# Altium PCB Arduino-DUE-V03.ascii.PcbDoc (part 1 of 3)
Units mil, origin at the board's own origin, x right, y up, seen from the top; angles counter-clockwise.
Board outline 4000 x 2100 mil, 2 copper layers (Top, Bottom), stack 65.748 mil thick; 128 components, 163 nets, 632 pads, 387 vias.
Unrouted connection lines stored in the file: 4.
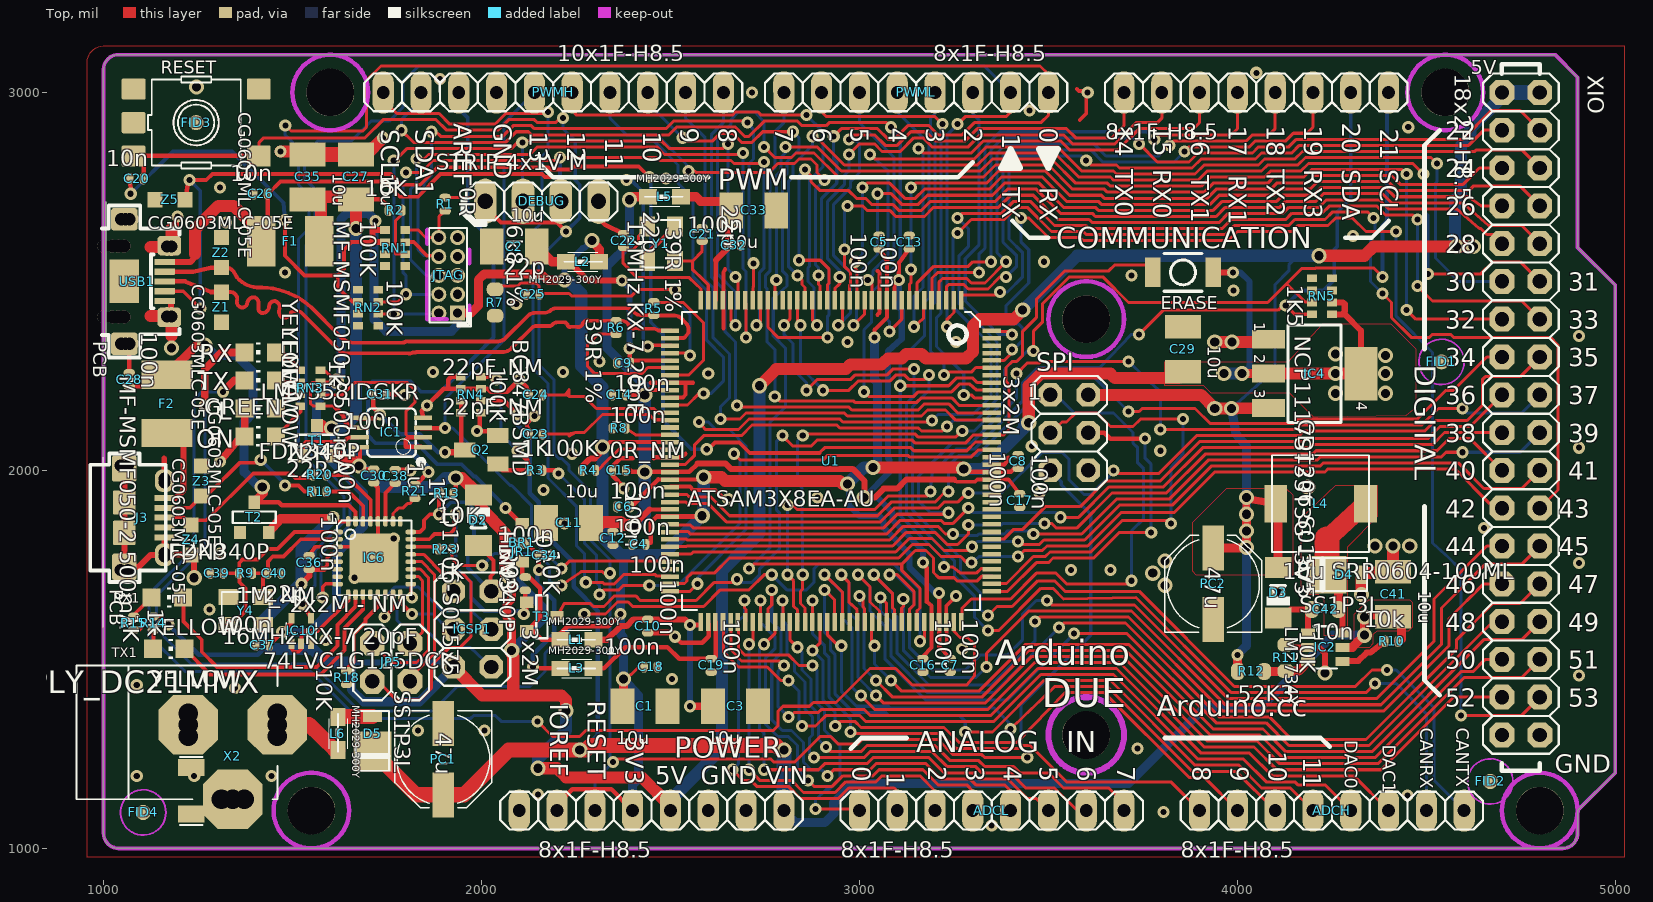
[diagram p0: Top view]
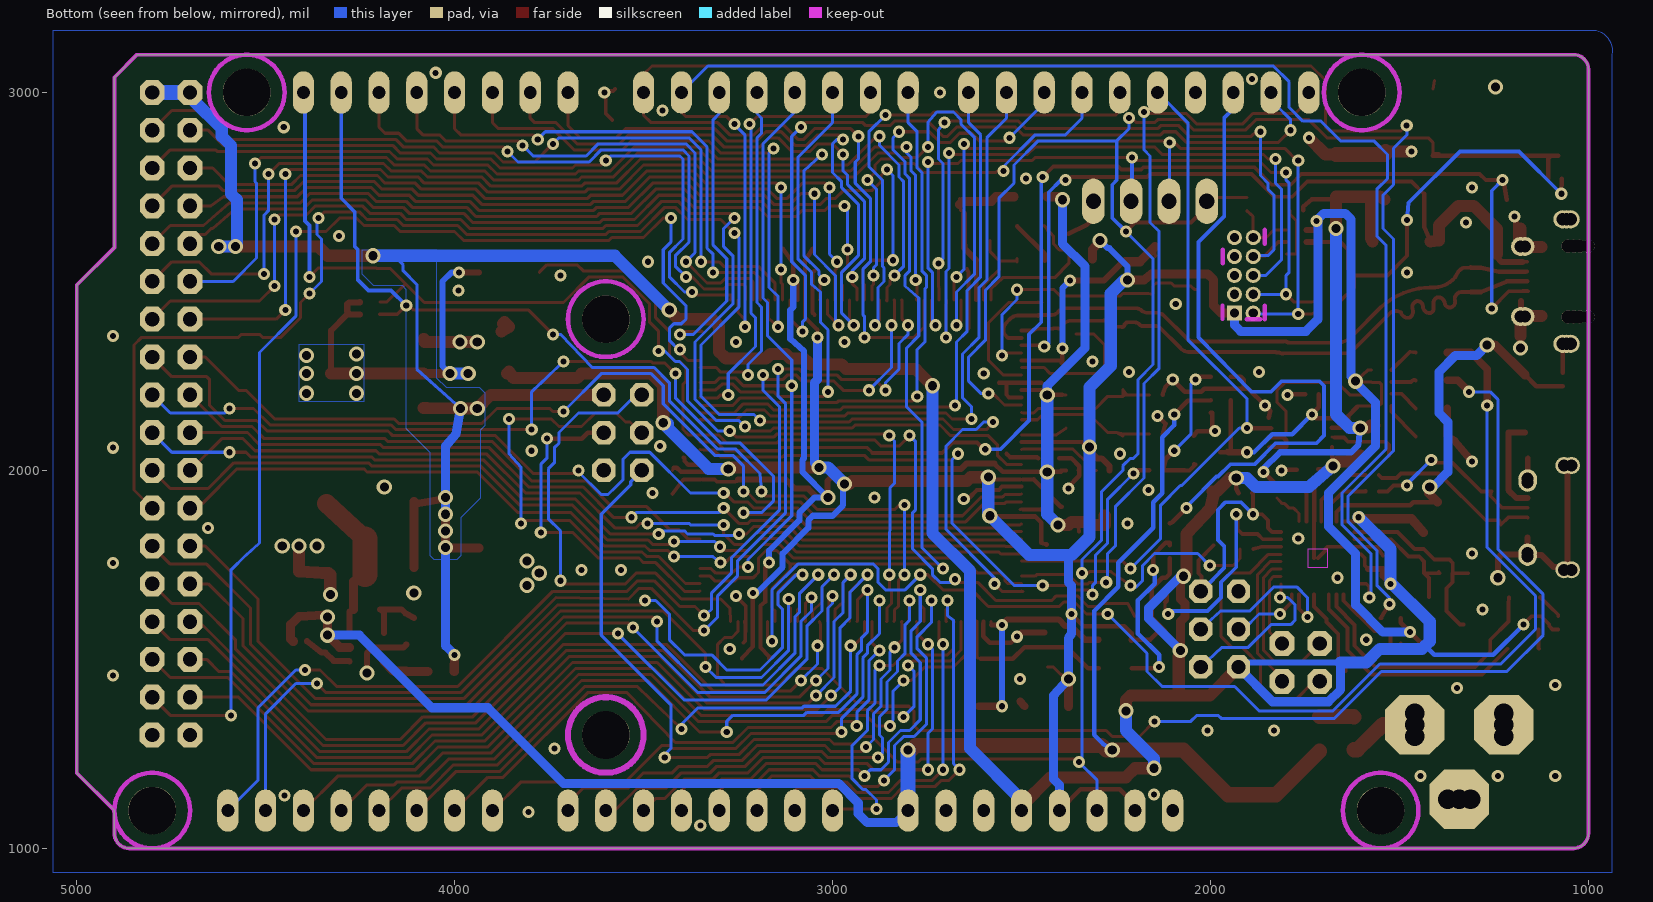
[diagram p1: Bottom view, seen from below]

## Layer stack, top to bottom
Top Solder: solder mask 0.4, Solder Resist, Dk 3.5
Top: signal copper 1.378
Dielectric 1: core 62.9921, FR-4, Dk 4.8
Bottom: signal copper 1.378
Bottom Solder: solder mask 0.4, Solder Resist, Dk 3.5

## Board outline
1040,3100 4840,3100 4900,3040 4900,2590 5000,2490 5000,1200 4900,1100 4900,1040 cw(c4860.5,1039.5) 4861,1000 1040,1000 cw(c1040,1040) 1000,1040 1000,3061 cw(c1039.5,3060.5)

## Design rules (kind name [scope] priority, off if disabled: settings)
AssemblyTestPointUsage [All] p0: scope1count=1 scope1_0_kind=Board scope1_0_value=Board scope2count=1 scope2_0_kind=Board scope2_0_value=Board commentlength=0
AssemblyTestpoint [All] p0: scope1count=1 scope1_0_kind=Board scope1_0_value=Board scope2count=1 scope2_0_kind=Board scope2_0_value=Board commentlength=0
Clearance "Clearance (Same Net)" [All] p0: scope1count=1 scope1_0_kind=Board scope1_0_value=Board scope2count=1 scope2_0_kind=Board scope2_0_value=Board commentlength=0 gap=0
Clearance [All] p0: scope1count=1 scope1_0_kind=Board scope1_0_value=Board scope2count=1 scope2_0_kind=Board scope2_0_value=Board commentlength=0 gap=8
Clearance [All] p1: gap=8 except(0: SMDPad-SMDPad SMDPad-THPad SMDPad-Via)
Clearance "Clearance (Same Net)" [All] p2: gap=0 except(6: SMDPad-SMDPad SMDPad-THPad SMDPad-Via)
ComponentClearance [All] p0: scope1count=1 scope1_0_kind=Board scope1_0_value=Board scope2count=1 scope2_0_kind=Board scope2_0_value=Board commentlength=0 gap=10 collisioncheckmode=3
DiffPairsRouting [All] p0: scope1count=1 scope1_0_kind=Board scope1_0_value=Board scope2count=1 scope2_0_kind=Board scope2_0_value=Board commentlength=0
FabricationTestPointUsage [All] p0: scope1count=1 scope1_0_kind=Board scope1_0_value=Board scope2count=1 scope2_0_kind=Board scope2_0_value=Board commentlength=0 valid=0 allowmultiple=FALSE
FabricationTestpoint [All] p0: scope1count=1 scope1_0_kind=Board scope1_0_value=Board scope2count=1 scope2_0_kind=Board scope2_0_value=Board commentlength=0 side=3 testpointundercomponent=TRUE minsize=40 maxsize=100 preferedsize=60 minholesize=0 maxholesize=40 preferedholesize=32 testpointgrid=1
FanoutControl Fanout_Default [All] p0: scope1count=1 scope1_0_kind=Board scope1_0_value=Board scope2count=1 scope2_0_kind=Board scope2_0_value=Board commentlength=30 // Fanout_Default (Default Rule)
FanoutControl Fanout_Small [All] p0 off: scope1count=1 scope1_0_kind=Board scope1_0_value=Board scope2count=1 scope2_0_kind=Board scope2_0_value=Board commentlength=84 // Protel DXP Scope 1 Expression Was: (CompPinCount < 5)   Fanout_Small (Default Rule)
FanoutControl Fanout_SOIC [All] p0 off: scope1count=1 scope1_0_kind=Board scope1_0_value=Board scope2count=1 scope2_0_kind=Board scope2_0_value=Board commentlength=71 // Protel DXP Scope 1 Expression Was: IsSOIC   Fanout_SOIC (Default Rule)
FanoutControl Fanout_LCC [All] p0 off: scope1count=1 scope1_0_kind=Board scope1_0_value=Board scope2count=1 scope2_0_kind=Board scope2_0_value=Board commentlength=69 // Protel DXP Scope 1 Expression Was: IsLCC   Fanout_LCC (Default Rule)
FanoutControl Fanout_BGA [All] p0 off: scope1count=1 scope1_0_kind=Board scope1_0_value=Board scope2count=1 scope2_0_kind=Board scope2_0_value=Board commentlength=69 // Protel DXP Scope 1 Expression Was: IsBGA   Fanout_BGA (Default Rule)
Height [All] p0: scope1count=1 scope1_0_kind=Board scope1_0_value=Board scope2count=1 scope2_0_kind=Board scope2_0_value=Board commentlength=0
HoleSize [All] p0: scope1count=1 scope1_0_kind=Board scope1_0_value=Board scope2count=1 scope2_0_kind=Board scope2_0_value=Board commentlength=0 absolutevalues=TRUE maxlimit=100 minlimit=1 maxpercent=80.000 minpercent=20.000
HoleSize HoleSize_1 [All] p0: scope1count=1 scope1_0_kind=Board scope1_0_value=Board scope2count=1 scope2_0_kind=Board scope2_0_value=Board commentlength=0 absolutevalues=TRUE maxlimit=100000 minlimit=16 maxpercent=80.000 minpercent=20.000
HoleSize HoleSize_1 [All] p1: absolutevalues=TRUE maxlimit=100000 minlimit=16 maxpercent=80.000 minpercent=20.000
HoleSize [All] p2: absolutevalues=TRUE maxlimit=100 minlimit=1 maxpercent=80.000 minpercent=20.000
HoleToHoleClearance [All] p0: scope1count=1 scope1_0_kind=Board scope1_0_value=Board scope2count=1 scope2_0_kind=Board scope2_0_value=Board commentlength=0
HoleToHoleClearance mdViaViaSameLayer [All] p0: scope1count=1 scope1_0_kind=Board scope1_0_value=Board scope2count=1 scope2_0_kind=Board scope2_0_value=Board commentlength=0
HoleToHoleClearance mdViaViaSameLayer [All] p1: gap=8 allowstackedmicrovias=TRUE
HoleToHoleClearance [All] p2: gap=10 allowstackedmicrovias=TRUE
LayerPairs [All] p0: scope1count=1 scope1_0_kind=Board scope1_0_value=Board scope2count=1 scope2_0_kind=Board scope2_0_value=Board commentlength=0 enforce=TRUE
MinimumSolderMaskSliver [All] p0: scope1count=1 scope1_0_kind=Board scope1_0_value=Board scope2count=1 scope2_0_kind=Board scope2_0_value=Board commentlength=0
NetAntennae [All] p0: scope1count=1 scope1_0_kind=Board scope1_0_value=Board scope2count=1 scope2_0_kind=Board scope2_0_value=Board commentlength=0
PasteMaskExpansion [All] p0: scope1count=1 scope1_0_kind=Board scope1_0_value=Board scope2count=1 scope2_0_kind=Board scope2_0_value=Board commentlength=0 expansion=0
PasteMaskExpansion mlMinCreamFrame [All] p0: scope1count=1 scope1_0_kind=Board scope1_0_value=Board scope2count=1 scope2_0_kind=Board scope2_0_value=Board commentlength=0 expansion=-25
PasteMaskExpansion mlMinCreamFrame [All] p1: expansion=-25
PasteMaskExpansion [All] p2: expansion=0
PlaneClearance [All] p0: scope1count=1 scope1_0_kind=Board scope1_0_value=Board scope2count=1 scope2_0_kind=Board scope2_0_value=Board commentlength=0 clearance=20
PlaneConnect [All] p0: scope1count=1 scope1_0_kind=Board scope1_0_value=Board scope2count=1 scope2_0_kind=Board scope2_0_value=Board commentlength=0 planeconnectstyle=Relief reliefexpansion=20 reliefentries=4 reliefconductorwidth=10 reliefairgap=10
PolygonConnect [All] p0: scope1count=1 scope1_0_kind=Board scope1_0_value=Board scope2count=1 scope2_0_kind=Board scope2_0_value=Board commentlength=0 connectstyle=Relief reliefconductorwidth=10 reliefentries=4 polygonreliefangle="90 Angle"
PolygonConnect ThermalVias [All] p0 off: scope1count=1 scope1_0_kind=Board scope1_0_value=Board scope2count=1 scope2_0_kind=Board scope2_0_value=Board commentlength=44 connectstyle=Direct reliefconductorwidth=10 reliefentries=4 polygonreliefangle="90 Angle" // Protel DXP Scope 1 Expression Was: IsVia
PolygonConnect ThermalVias [IsVia] p1: connectstyle=Direct reliefconductorwidth=10 reliefentries=4 polygonreliefangle="90 Angle" airgapwidth=10
PolygonConnect [All] p2: connectstyle=Relief reliefconductorwidth=10 reliefentries=4 polygonreliefangle="90 Angle" airgapwidth=10
RoutingCorners [All] p0: scope1count=1 scope1_0_kind=Board scope1_0_value=Board scope2count=1 scope2_0_kind=Board scope2_0_value=Board commentlength=0 cornerstyle=45-Degree minsetback=100 maxsetback=100
RoutingLayers [All] p0: scope1count=1 scope1_0_kind=Board scope1_0_value=Board scope2count=1 scope2_0_kind=Board scope2_0_value=Board commentlength=0 top layer=Automatic bottom layer=Automatic
RoutingPriority [All] p0: scope1count=1 scope1_0_kind=Board scope1_0_value=Board scope2count=1 scope2_0_kind=Board scope2_0_value=Board commentlength=0
RoutingTopology [All] p0: scope1count=1 scope1_0_kind=Board scope1_0_value=Board scope2count=1 scope2_0_kind=Board scope2_0_value=Board commentlength=0 topology=Shortest
RoutingVias [All] p0: scope1count=1 scope1_0_kind=Board scope1_0_value=Board scope2count=1 scope2_0_kind=Board scope2_0_value=Board commentlength=0 holewidth=28 width=50 viastyle="Through Hole" minholewidth=28 minwidth=50 maxholewidth=28 maxwidth=50
RoutingVias [All] p1: holewidth=28 width=50 viastyle="Through Hole" minholewidth=28 minwidth=50 maxholewidth=28 maxwidth=50
ShortCircuit [All] p0: scope1count=1 scope1_0_kind=Board scope1_0_value=Board scope2count=1 scope2_0_kind=Board scope2_0_value=Board commentlength=0 allowed=FALSE
SilkToBoardRegionClearance [All] p0: scope1count=1 scope1_0_kind=Board scope1_0_value=Board scope2count=1 scope2_0_kind=Board scope2_0_value=Board commentlength=0
SilkToSilkClearance [All] p0 off: scope1count=1 scope1_0_kind=Board scope1_0_value=Board scope2count=1 scope2_0_kind=Board scope2_0_value=Board commentlength=0
SilkToSilkClearance [All] p1 off: silktosilkclearance=10
SilkToSolderMaskClearance [All] p0 off: scope1count=1 scope1_0_kind=Board scope1_0_value=Board scope2count=1 scope2_0_kind=Board scope2_0_value=Board commentlength=44 // Protel DXP Scope 1 Expression Was: IsPad
SilkToSolderMaskClearance [IsPad] p1 off: minsilkscreentomaskgap=10 clearancetoexposedcopper=TRUE
SolderMaskExpansion [All] p0: scope1count=1 scope1_0_kind=Board scope1_0_value=Board scope2count=1 scope2_0_kind=Board scope2_0_value=Board commentlength=0 expansion=4
SolderMaskExpansion mlMinStopFrame [All] p0: scope1count=1 scope1_0_kind=Board scope1_0_value=Board scope2count=1 scope2_0_kind=Board scope2_0_value=Board commentlength=0 expansion=2
SolderMaskExpansion mlMinStopFrame [All] p1: expansion=2
SolderMaskExpansion [All] p2: expansion=4
UnRoutedNet [All] p0: scope1count=1 scope1_0_kind=Board scope1_0_value=Board scope2count=1 scope2_0_kind=Board scope2_0_value=Board commentlength=0
UnpouredPolygon [All] p0: scope1count=1 scope1_0_kind=Board scope1_0_value=Board scope2count=1 scope2_0_kind=Board scope2_0_value=Board commentlength=0
Width [All] p0: scope1count=1 scope1_0_kind=Board scope1_0_value=Board scope2count=1 scope2_0_kind=Board scope2_0_value=Board commentlength=0 maxlimit=10 minlimit=10 preferedwidth=10
Width Width_1 [All] p0: scope1count=1 scope1_0_kind=Board scope1_0_value=Board scope2count=1 scope2_0_kind=Board scope2_0_value=Board commentlength=0 maxlimit=100000 minlimit=8 preferedwidth=10
Width Width_1 [All] p1: maxlimit=100000 minlimit=8 preferedwidth=10
Width [All] p2: maxlimit=10 minlimit=10 preferedwidth=10
25 further rules are at their usual default settings.

## Components (designator, comment, footprint, x,y, rotation, side; value= is the part's Value field where it differs from the comment)
ADCH "8x1F-H8.5" 1X08 4250,1100 r0 top
ADCL "8x1F-H8.5" 1X08 3350,1100 r0 top
BR1 "NM" J0402 2108,1834 r270 top
C1 "10u" SMC_B 2432,1376 r0 top
C2 "10u" SMC_B 2087,2592 r180.01 top
C3 "10u" SMC_B 2672,1376 r0 top
C4 "100n" C0402 2416,1804 r0 top
C5 "100n" C0402 3052,2604 r270 top
C6 "100n" C0402 2376,1904 r0 top
C7 "100n" C0402 3240,1484 r90.02 top
C8 "100n" C0402 3420,2024 r270 top
C9 "100n" C0402 2376,2284 r0 top
C10 "100n" C0402 2440,1588 r90.02 top
C11 "10u" SMC_B 2231,1861 r180.01 top
C12 "100n" C0402 2348,1820 r90.02 top
C13 "100n" C0402 3132,2604 r270 top
C14 "100n" C0402 2364,2200 r0 top
C15 "100n" C0402 2364,2000 r0 top
C16 "100n" C0402 3168,1484 r90.02 top
C17 "100n" C0402 3424,1920 r90.02 top
C18 "100n" C0402 2448,1480 r180.01 top
C19 "100n" C0402 2608,1484 r90.02 top
C20 "10n" C0402 1088,2772 r180.01 top
C21 "22p" C0402 2584,2624 r90.02 top
C22 "22p" C0402 2376,2608 r90.02 top
C23 "22pF_NM" C0402 2144,2096 r180.01 top
C24 "22pF_NM" C0402 2144,2200 r180.01 top
C25 "22p" C0402 2136,2466 r180.01 top
C26 "10n" C0402 1416,2732 r180.01 top
C27 "10u" SMC_B 1668,2776 r90.02 top
C28 "100n" C0402 1068,2240 r90.02 top
C29 "10u" SMC_B 3856,2320 r90.02 top
C30 "100n" C0402 1715,1985 r90.02 top
C31 "100n" C0402 1731,2201 r180.01 top
C32 "100n" C0402 2668,2596 r180.01 top
C33 "10u" SMC_B 2720,2688 r0 top
C34 "100n" C0402 2168,1776 r180.01 top
C35 "10u" SMC_B 1540,2776 r90.02 top
C36 "100n" C0402 1544,1756 r90.02 top
C37 "100n" C0402 1421,1538 r180.01 top
C38 "1u" C0402 1772,1984 r90.02 top
C39 "22p" C0402 1300,1728 r180.01 top
C40 "22p" C0402 1452,1728 r0 top
C41 "10u" SMC_B 4412,1672 r90.02 top
C42 "10n" C0603-ROUND 4232,1632 r0 top
COMMUNICATION "8x1F-H8.5" 1X08 4050,3000 r0 top
D2 "CD1206-S01575" MINIMELF 1992,1868 r270 top
D3 "CD1206-S01575" MINIMELF 4108,1676 r90.02 top
D4 "SS1P3L" DO220AAL 4264,1724 r0 top
D5 "SS1P3L" DO220AAL 1712,1284 r90.02 top
DEBUG "STRIP 4x1V M" 1X04 2160,2712 r180.01 top
ERASE "" SMD_157SW 3856,2524 r180.01 top
F1 "MF-MSMF050-2 500mA" L1812 1494,2606 r180.01 top
F2 "MF-MSMF050-2 500mA" L1812 1168,2176 r270 top
FID1 "" FIDUCIA-MOUNT 4540,2287 r0 top
FID2 "" FIDUCIA-MOUNT 4669,1177 r0 top
FID3 "" FIDUCIA-MOUNT 1245,2920 r0 top
FID4 "" FIDUCIA-MOUNT 1105,1095 r0 top
IC1 "LMV358IDGKR" MSOP08 1762,2100 r90.02 top
IC2 "LM2734Y" SOT23-6 4232,1532 r270 top
IC4 "NCP1117ST33T3G -3V3" SOT223 4204,2256 r270 top
IC6 "" MLF32 1716,1768 r0 top
IC10 "74LVC1G125DCK" SC70-5 1523,1575 r0 top
ICSP1 "3x2M" 2X03 1976,1580 r90.02 top
J3 "" CON2_USB_MICRO_B_AT 1055,1875 r270 top
JP5 "2x2M - NM" 2X02 1761,1492 r180.01 top
JR1 "0R" R0402#1 2108,1784 r90.02 top
JTAG "" PINHEAD_2X05_127 1912,2516 r180.01 top
L "YELLOW" CHIP-LED0805 1415,2164 r90.02 top
L1 "MH2029-300Y" 0805 2252,1552 r0 top
L2 "MH2029-300Y" 0805 2268,2552 r180.01 top
L3 "MH2029-300Y" 0805 2252,1476 r0 top
L4 "10u SRR0604-100ML" SRR0604 4220,1912 r0 top
L5 "MH2029-300Y" 0805 2484,2724 r0 top
L6 "MH2029-300Y" 0805 1620,1304 r270 top
ON "GREEN" CHIP-LED0805 1415,2090 r90.02 top
PC1 "47u" PANASONIC_D 1899,1236 r270 top
PC2 "47u" PANASONIC_D 3936,1700 r90.02 top
POWER "8x1F-H8.5" 1X08 2450,1100 r0 top
PWMH "10x1F-H8.5" 1X10 2190,3000 r180.01 top
PWML "8x1F-H8.5" 1X08 3150,3000 r180.01 top
Q2 "BC847BSMD" SOT23 2000,2054 r90.02 top
R1 "0R" R0402#1 1904,2704 r90.02 top
R2 "10K" R0402#1 1772,2688 r180.01 top
R3 "1K" R0402#1 2144,2000 r180.01 top
R4 "100K" R0402#1 2284,2000 r180.01 top
R5 "39R 1%" R0402#1 2456,2428 r90.02 top
R6 "39R 1%" R0402#1 2356,2378 r270 top
R7 "6k8 1%" R0603-ROUND 2036,2444 r90.02 top
R8 "0R_NM" R0402#1 2364,2112 r0 top
R9 "1M_NM" R0402#1 1376,1728 r0 top
R10 "10k" R0402#1 4408,1548 r180.01 top
R11 "10K" R0603-ROUND 4128,1504 r90.02 top
R12 "52K3" R0603-ROUND 4036,1468 r0 top
R13 "10K" R0402#1 1908,1940 r0 top
R14 "1K" R0402#1 1132,1596 r270 top
R15 "1K" R0402#1 1080,1596 r90.02 top
R18 "10K" R0402#1 1643,1452 r270 top
R19 "22R" R0402#1 1572,1944 r180.01 top
R20 "22R" R0402#1 1572,1988 r180.01 top
R21 "1K" R0402#1 1824,1944 r90.02 top
R23 "1K" R0402#1 1904,1792 r0 top
R99 "10K" R0402#2 2116,1700 r90.02 top
RESET "TS42" TS42 1245,2920 r0 top
RN1 "100K" CAT16 1772,2588 r90.02 top
RN2 "100K" CAT16 1700,2431 r270 top
RN3 "1k" CAY16 1547,2218 r270 top
RN4 "100K" CAT16 1972,2200 r270 top
RN5 "1K5" CAT16 4224,2460 r90.02 top
RX "YELLOW" CHIP-LED0805 1415,2312 r90.02 top
RX1 "YELLOW" CHIP-LED0805 1168,1664 r270 top
SPI "3x2M" 2X03 3555,2100 r270 top
T1 "FDN340P" SOT-23 1566,2079 r180.01 top
T2 "FDN340P" SOT-23 1400,1876 r180.01 top
T3 "FDN340P" SOT-23 2160,1612 r90.02 top
TX "YELLOW" CHIP-LED0805 1415,2238 r90.02 top
TX1 "YELLOW" CHIP-LED0805 1172,1528 r270 top
U1 "ATSAM3X8EA-AU" LQFP144 2925,2025 r180.01 top
USB1 "" MCR-AB1-S-RA-SMT 1055,2500 r270 top
X2 "POWERSUPPLY_DC21MMX" POWERSUPPLY_DC-21MM 1210,1330 r90.02 top
XIO "18x2F-H8.5" 2X18 4750,2150 r270 top
Y1 "12MHz KX-7 20pF" CRYSTAL-3.2-2.5 2475,2600 r270 top
Y4 "16MHz KX-7 20pF" CRYSTAL-3.2-2.5 1376,1628 r0 top
Z1 "CG0603MLC-05E" CT/CN0603 1312,2432 r270 top
Z2 "CG0603MLC-05E" CT/CN0603 1312,2576 r90.02 top
Z3 "CG0603MLC-05E" CT/CN0603 1260,1972 r270 top
Z4 "CG0603MLC-05E" CT/CN0603 1232,1816 r90.02 top
Z5 "CG0603MLC-05E" CT/CN0603 1176,2716 r0 top

## Footprints (in the part's own frame and the unit in brackets; to place one, negate y for a bottom-side part, rotate by r counter-clockwise, add the part's x,y. Pads: shape width x height; smd on the part's side, far side on the other; paste and mask are expansions set on the pad)
1X04 [mil] "1X04"
  oval 60x120 hole 40: 1(-150,0) 2(-50,0) 3(50,0) 4(150,0)
  silkscreen extent -200,-50 200,50
1X08 [mil] "1X08"
  oval 56x112 hole 34: 1(-350,0) 2(-250,0) 3(-150,0) 4(-50,0) 5(50,0) 6(150,0) 7(250,0) 8(350,0)
  silkscreen extent -400,-50 400,50
1X10 [mil] "1X10"
  oval 56x112 hole 34: 1(-450,0) 2(-350,0) 3(-250,0) 4(-150,0) 5(-50,0) 6(50,0) 7(150,0) 8(250,0) 9(350,0) 10(450,0)
  silkscreen extent -500,-50 500,50
2X02 [mil] "2X02"
  oct 66x66 hole 38: 1(-50,-50) 2(-50,50) 3(50,-50) 4(50,50)
  silkscreen extent -100,-100 100,100
2X03 [mil] "2X03"
  oct 62x62 hole 38: 1(-100,-50) 2(-100,50) 3(0,-50) 4(0,50) 5(100,-50) 6(100,50)
  silkscreen extent -150,-100 150,100
2X18 [mil] "2X18"
  oct 66x66 hole 38: 1(-850,-50) 2(-850,50) 3(-750,-50) 4(-750,50) 5(-650,-50) 6(-650,50) 7(-550,-50) 8(-550,50) 9(-450,-50) 10(-450,50) 11(-350,-50) 12(-350,50) 13(-250,-50) 14(-250,50) 15(-150,-50) 16(-150,50) 17(-50,-50) 18(-50,50) 19(50,-50) 20(50,50) 21(150,-50) 22(150,50) 23(250,-50) 24(250,50) 25(350,-50) 26(350,50) 27(450,-50) 28(450,50) 29(550,-50) 30(550,50) 31(650,-50) 32(650,50) 33(750,-50) 34(750,50) 35(850,-50) 36(850,50)
  silkscreen extent -900,-100 900,100
0805 [mil] "0805"
  rect 48x40 smd: 1(-43.31,0) 2(44,0)
  silkscreen extent -51,-25 48,25
C0402 [mil] "C0402"
  rrect90% 20x30 smd: 1(-17.5,0) 2(18,0)
C0603-ROUND [mil] "C0603-ROUND"
  rrect80% 36x44 smd: 1(-35,0) 2(35,0)
CAT16 [mil] "CAT16"
  rect 20x26 smd: 1(-47.24,-26.57) 2(-15.75,-26.57) 3(16,-26.57) 4(48,-26.57) 5(48,27) 6(16,27) 7(-15.75,27) 8(-47.24,27)
CAY16 [mil] "CAY16"
  rect 20x26 smd: 1(-47.24,-26.57) 2(-15.75,-26.57) 3(16,-26.57) 4(48,-26.57) 5(48,27) 6(16,27) 7(-15.75,27) 8(-47.24,27)
CHIP-LED0805 [mil] "CHIP-LED0805"
  rect 48x48 smd: A(0,-41.34) C(0,42)
  silkscreen extent -27,0 27,12
CON2_USB_MICRO_B_AT [mil] "CON2_USB_MICRO_B_AT"
  rrect10% 16x53 smd: P1(-52,106) P2(-26,106) P3(0,106) P4(26,106) P5(52,106)
  round 50 hole 32: P$1(-103,106)
  round 49 hole 32: P$2(-93,106) P$7(93,106) P$8(103,106)
  round 45 hole 32: P$3(-138,-10) P$4(-138,10) P$5(138,10) P$6(138,-10)
  rrect20% 70x65 smd: S1(-130,0) S2(130,0)
  rrect80% 60x50 smd: S3(-98,106) S4(98,106)
  rrect10% 64x60 smd: S5(-40,0) S6(40,0)
  silkscreen extent -170,-90 290,110
CRYSTAL-3.2-2.5 [mil] "CRYSTAL-3.2-2.5"
  rect 52x42 smd: 1(-45.28,-36.42) 2(46,-36.42) 3(46,37) 4(-45.28,37)
  silkscreen extent -63,-49 63,50
CT/CN0603 [mil] "CT/CN0603"
  rect 40x40 smd: 1(-39.37,0) 2(40,0)
DO220AAL [mil] "DO220AAL"
  rect 105x100 smd: P$1(-27.56,0)
  rect 30x50 smd: P$2(65,0)
  silkscreen extent -79,-43 79,44
FIDUCIA-MOUNT [mil] "FIDUCIA-MOUNT"
  rrect100% 40x40 smd: P$1(0,0)
  Top keep-out circle w5: c0,0 r60
J0402 [mil] "J0402"
  rect 28x36 smd: 1(-25.59,0) 2(26,0) 3(77,0)
L1812 [mil] "L1812"
  rect 75x134 smd: 1(-76.77,0) 2(77,0)
LQFP144 [mil] "LQFP144"
  rect 12x48 smd: 1(-344.49,-425.2) 2(-324.8,-425.2) 3(-305.12,-425.2) 4(-285.43,-425.2) 5(-265.75,-425.2) 6(-246.06,-425.2) 7(-226.38,-425.2) 8(-206.69,-425.2) 9(-187.01,-425.2) 10(-167.32,-425.2) 11(-147.64,-425.2) 12(-127.95,-425.2) 13(-108.27,-425.2) 14(-88.58,-425.2) 15(-68.9,-425.2) 16(-49.21,-425.2) 17(-29.53,-425.2) 18(-9.84,-425.2) 19(10,-425.2) 20(30,-425.2) 21(50,-425.2) 22(69,-425.2) 23(89,-425.2) 24(109,-425.2) 25(128,-425.2) 26(148,-425.2) 27(168,-425.2) 28(188,-425.2) 29(207,-425.2) 30(227,-425.2) 31(247,-425.2) 32(266,-425.2) 33(286,-425.2) 34(306,-425.2) 35(325,-425.2) 36(345,-425.2) 73(345,426) 74(325,426) 75(306,426) 76(286,426) 77(266,426) 78(247,426) 79(227,426) 80(207,426) 81(188,426) 82(168,426) 83(148,426) 84(128,426) 85(109,426) 86(89,426) 87(69,426) 88(50,426) 89(30,426) 90(10,426) 91(-9.84,426) 92(-29.53,426) 93(-49.21,426) 94(-68.9,426) 95(-88.58,426) 96(-108.27,426) 97(-127.95,426) 98(-147.64,426) 99(-167.32,426) 100(-187.01,426) 101(-206.69,426) 102(-226.38,426) 103(-246.06,426) 104(-265.75,426) 105(-285.43,426) 106(-305.12,426) 107(-324.8,426) 108(-344.49,426)
  rect 48x12 smd: 37(426,-344.49) 38(426,-324.8) 39(426,-305.12) 40(426,-285.43) 41(426,-265.75) 42(426,-246.06) 43(426,-226.38) 44(426,-206.69) 45(426,-187.01) 46(426,-167.32) 47(426,-147.64) 48(426,-127.95) 49(426,-108.27) 50(426,-88.58) 51(426,-68.9) 52(426,-49.21) 53(426,-29.53) 54(426,-9.84) 55(426,10) 56(426,30) 57(426,50) 58(426,69) 59(426,89) 60(426,109) 61(426,128) 62(426,148) 63(426,168) 64(426,188) 65(426,207) 66(426,227) 67(426,247) 68(426,266) 69(426,286) 70(426,306) 71(426,325) 72(426,345) 109(-425.2,345) 110(-425.2,325) 111(-425.2,306) 112(-425.2,286) 113(-425.2,266) 114(-425.2,247) 115(-425.2,227) 116(-425.2,207) 117(-425.2,188) 118(-425.2,168) 119(-425.2,148) 120(-425.2,128) 121(-425.2,109) 122(-425.2,89) 123(-425.2,69) 124(-425.2,50) 125(-425.2,30) 126(-425.2,10) 127(-425.2,-9.84) 128(-425.2,-29.53) 129(-425.2,-49.21) 130(-425.2,-68.9) 131(-425.2,-88.58) 132(-425.2,-108.27) 133(-425.2,-127.95) 134(-425.2,-147.64) 135(-425.2,-167.32) 136(-425.2,-187.01) 137(-425.2,-206.69) 138(-425.2,-226.38) 139(-425.2,-246.06) 140(-425.2,-265.75) 141(-425.2,-285.43) 142(-425.2,-305.12) 143(-425.2,-324.8) 144(-425.2,-344.49)
  silkscreen extent -394,-394 394,394
MCR-AB1-S-RA-SMT [mil] "MCR-AB1-S-RA-SMT"
  round 34 hole 34: 1(-93.5,-15.75) 1(-93.5,-55.12) 1(-93.5,0) 1(-93.5,-31.5) 1(94,-15.75) 1(94,-55.12) 1(94,0) 1(94,-31.5)
  rrect10% 16x54 smd: 1(-51.18,107) 2(-25.59,107) 3(0,107) 4(26,107) 5(52,107)
  round 48 hole 32: P$1(-164.37,14) P$3(-164.37,3) P$4(-164.37,-8) P$5(165,14) P$6(165,3) P$7(165,-8)
  rect 115x79 smd: P$2(0,0)
  round 50 hole 32: P$8(-92.52,125) P$9(-92.52,113) P$10(93,125) P$11(93,113)
  rrect40% 52x63 smd: S1(-94.49,119) S2(95,119)
  rrect30% 60x71 smd: S3(-164.37,0) S4(165,0)
  silkscreen extent -211,-59 211,146
MINIMELF [mil] "MINIMELF"
  rect 56x71 smd: A(67,0) C(-66.93,0)
  silkscreen extent -34,-31 20,31
MLF32 [mil] "MLF32"
  rrect80% 28x12 smd: 1(-96.46,69) 2(-96.46,50) 3(-96.46,30) 4(-96.46,10) 5(-96.46,-9.84) 6(-96.46,-29.53) 7(-96.46,-49.21) 8(-96.46,-68.9) 17(97,-68.9) 18(97,-49.21) 19(97,-29.53) 20(97,-9.84) 21(97,10) 22(97,30) 23(97,50) 24(97,69)
  rrect80% 12x28 smd: 9(-68.9,-96.46) 10(-49.21,-96.46) 11(-29.53,-96.46) 12(-9.84,-96.46) 13(10,-96.46) 14(30,-96.46) 15(50,-96.46) 16(69,-96.46) 25(69,97) 26(50,97) 27(30,97) 28(10,97) 29(-9.84,97) 30(-29.53,97) 31(-49.21,97) 32(-68.9,97)
  rrect15% 129x129 smd: 33(0,0)
  silkscreen extent -98,-98 99,99
MSOP08 [mil] "MSOP08"
  rect 12x48 smd: 1(-38.43,-83.19) 2(-12.83,-83.19) 3(13,-83.19) 4(39,-83.19) 5(39,84) 6(13,84) 7(-12.83,84) 8(-38.43,84)
  silkscreen extent -64,-64 64,64
PANASONIC_D [mil] "PANASONIC_D"
  rect 119x56 smd: +(95,0) -(-94.49,0)
  silkscreen extent -128,-128 128,128
PINHEAD_2X05_127 [mil] "PINHEAD_2X05_127"
  rect 40x40 hole 24: 1(-25,100)
  round 40 hole 24: 2(25,100) 3(-25,50) 4(25,50) 5(-25,0) 6(25,0) 7(-25,-50) 8(25,-50) 9(-25,-100) 10(25,-100)
  silkscreen extent -60,-125 50,135
POWERSUPPLY_DC-21MM [mil] "POWERSUPPLY_DC-21MM"
  oct 158x158 hole 52: 1(-200,-132) 2(-3,-250) 3(-3,-14)
  round 78 hole 52: 4(-200,-162) 5(-200,-102) 6(-33,-14) 7(27,-14) 8(-33,-250) 9(27,-250)
  silkscreen extent -200,-250 154,281
R0402#1 [mil] "R0402"
  rrect90% 20x30 smd: 1(-17.5,0) 2(18,0)
R0402#2 [mil] "R0402"
  rrect90% 20x30 smd: 1(-17.5,0) 2(18,0)
  rect 44x71 smd: P$1(-608.75,884.17) P$2(-485.73,884.17)
  silkscreen extent -638,854 -458,914
R0603-ROUND [mil] "R0603-ROUND"
  rrect80% 36x44 smd: 1(-35,0) 2(35,0)
SC70-5 [mil] "SC70-5"
  rect 16x28 smd: 1(-25.59,-33.46) 2(0,-33.46) 3(26,-33.46) 4(26,34) 5(-25.59,34)
  silkscreen extent -39,-22 40,22
SMC_B [mil] "SMC_B"
  rect 63x95 smd: +(-59.06,0) -(60,0)
SMD_157SW [mil] "SMD_157SW"
  rect 40x78 smd: 1(-80,0) 2(80,0)
  silkscreen extent -50,-50 50,50
SOT23 [mil] "SOT23"
  rect 40x56 smd: 1(-37.4,-43.31) 2(38,-43.31) 3(0,44)
SOT23-6 [mil] "SOT23-6"
  rect 24x36 smd: 1(-37.4,-45.28) 2(0,-45.28) 3(38,-45.28) 4(38,46) 5(0,46) 6(-37.4,46)
  silkscreen extent -56,-31 56,31
SOT223 [mil] "SOT223"
  rect 48x88 smd: 1(-91,-122) 2(0,-122) 3(91,-122)
  rect 142x87 smd: 4(0,123)
  silkscreen extent -129,-70 129,70
SOT-23 [mil] "SOT-23"
  rect 31x35 smd: 1(1,-40) 2(-37,40) 3(39,40)
  silkscreen extent -56,-15 58,15
SRR0604 [mil] "SRR0604"
  rect 60x99 smd: P$1(119,0) P$2(-118.11,0)
  silkscreen extent -128,-128 128,128
TS42 [mil] "TS42"
  rrect15% 63x56 smd: 1(-165.35,89) 2(166,89) 3(-165.35,-88.58) 4(166,-88.58) 5(-165.35,0)
  silkscreen extent -127,-122 118,122

## Part data
ADCH ADCL COMMUNICATION POWER PWML: library part 1X08
BR1: library part J0402
C1 C2 C3 C11 C27 C29 C33 C35 C41: library part SMC_B
C4 C5 C6 C7 C8 C9 C10 C12 C13 C14 C15 C16 C17 C18 C19 C20 C21 C22 C23 C24 C25 C26 C28 C30 C31 C32 C34 C36 C37 C38 C39 C40: library part C0402
C42: library part C0603-ROUND
D2 D3: library part MINIMELF
D4 D5: library part DO220AAL
DEBUG: library part 1X04
ERASE: library part SMD_157SW
F1 F2: library part L1812
FID1 FID2 FID3 FID4: library part FIDUCIA-MOUNT
IC1: library part MSOP08
IC2: library part SOT23-6
IC4: library part SOT223
IC6: library part MLF32
IC10: library part SC70-5
ICSP1 SPI: library part 2X03
J3: library part CON2_USB_MICRO_B_AT
JP5: library part 2X02
JR1 R1 R2 R3 R4 R5 R6 R8 R9 R10 R13 R14 R15 R18 R19 R20 R21 R23 R99: library part R0402
JTAG: library part PINHEAD_2X05_127
L ON RX RX1 TX TX1: library part CHIP-LED0805
L1 L2 L3 L5 L6: library part 0805
L4: library part SRR0604
PC1 PC2: library part PANASONIC_D
PWMH: library part 1X10
Q2: library part SOT23
R7 R11 R12: library part R0603-ROUND
RN1 RN2 RN4 RN5: library part CAT16
RN3: library part CAY16
T1 T2 T3: library part SOT-23
U1: library part LQFP144
USB1: library part MCR-AB1-S-RA-SMT
X2: library part POWERSUPPLY_DC-21MM
XIO: library part 2X18
Y1 Y4: library part CRYSTAL-3.2-2.5
Z1 Z2 Z3 Z4 Z5: library part CT/CN0603

## Free pads (board coordinates)
  round 126 hole 126: 1(1550,1100) 1(1600,3000) 1(3600,1300) 1(3600,2400) 1(4550,3000) 1(4800,1100)

## Via types
v1: diameter 32, hole 16, Top to Bottom, 323 vias
v2: diameter 40, hole 24, Top to Bottom, 64 vias

## Nets (pads, with @x,y where several pads share a name; then routed paths per layer and width w, separated by ;. In a path a pad name is that pad's centre, name@x,y a point inside that pad or via, vN(x,y) a via of type N, cw(c..) or ccw(c..) an arc to the next point about the centre after c; other vN are vias at no path point)
5-GND: RESET.5
8PB4: IC6.18 JP5.1 | length 216.5
  Top w8: JP5.1@1810.99,1542.01 1844,1572 1844,1708 1834,1719 IC6.18@1813,1719
8PB5: IC6.19 JP5.3 | length 431.8
  Top w8: JP5.3@1710.99,1541.99 1761,1492 1828,1492 1860,1524 1860,1716 1838,1739 IC6.19@1813,1739
8PB6: IC6.20 JP5.2 | length 386.7
  Top w8: JP5.2@1811.01,1442.01 1811,1451 1876,1516 1876,1724 1842,1759 IC6.20@1813,1759
8PB7: IC6.21 JP5.4 | length 721
  Top w8: JP5.4@1711.01,1441.99 1726,1442 1776,1392 1836,1392 1868,1424 1868,1484 1916,1532 1944,1532 1972,1560 1972,1705 1949,1728 1896,1728 1847,1778 IC6.21@1813,1778
16U2-TX: IC6.9 IC10.1 IC10.2 | length 264.1
  Top w10: IC10.1@1497,1542 1497,1528 1504,1520 1516,1520 1523,1527 1523,1542 1524,1543 1524,1567 1532,1575 1567,1575 1648,1655 IC6.9@1648,1672
+3V3: BR1.3 C1.+ C4.2 C5.2 C6.2 C7.2 C8.2 C18.2 C20.2 C29.+ C37.1 ERASE.1 IC1.6 IC4.2 IC4.4 IC10.5 JR1.1 JTAG.1 L1.1 L2.1 POWER.2 POWER.4 R4.2 R99.2 RN1.5 RN1.6 RN2.2 RN2.3 RN3.5 RN3.7 RN3.8 RN5.1 RN5.2 T3.2 U1.11 U1.52 U1.57 U1.62 U1.105 U1.125 | length 11604.6
  Top w8: RN3.8@1574,2266 1583,2266 v2(1616,2236) 1614,2234 1574,2234 1572,2232 1552,2232 1548,2228 1548,2176 1554,2171 1574,2171 1611,2171 1612,2168 ; RN2.2@1673,2446 RN2.2@1674,2447 ; L2.1@2312,2552 2314,2554 L2.1@2312,2560 ; C1.+@2373,1376 C1.+@2376,1376 ; v2(2376,1448) 2396,1460 2416,1480 C18.2@2431,1480 ; U1.57@2496,1976 2500,1976 U1.57@2504,1976 ; U1.11@3073,2451 U1.11@3073,2452 ; C8.2@3420,2007 C8.2@3424,2000
  Top w10: C37.1@1439,1538 C37.1@1439,1539 ; v1(1480,2662) 1480,2568 1532,2516 1620,2516 ; RN2.2@1673,2446 1672,2446 1672,2422 1671,2416 RN2.3@1674,2416 ; RN2.2@1674,2447 1658,2447 1620,2484 1620,2516 ; 1712,2604 1656,2604 1636,2584 1636,2532 1620,2516 ; RN5.2@4251,2445 4260,2445 RN5.2@4260,2444
  Top w11: v2@2327,2066 2340,2075 U1.52@2500,2075 ; 2468,1976 U1.57@2496,1976 ; U1.57@2504,1976 2580,1976 v2(2588,1982) ; v1(3040,2352) 3040,2372 3073,2405 3073,2449 U1.11@3073,2451 ; U1.11@3073,2452 3073,2555 ; v1(3210,1676) 3211,1679 3211,1600 3211,1534 3240,1504 C7.2@3239.99,1502
  Top w12: C20.2@1071,2772 v1(1072,2732) ; C37.1@1439,1539 v1(1472,1572) 1497,1597 IC10.5@1497,1609 ; 1612,2168 1636,2144 1636,2132 1656,2113 IC1.6@1679,2113 ; BR1.3@2108,1767 2108,1758 2108,1726 R99.2@2115.99,1718 2118,1716 2128,1716 2156,1688 2156,1611 T3.2@2120.01,1574.99 2129,1583 2160,1552 2209,1552 2209,1569 2228,1588 2336,1588 v1(2368,1620) ; POWER.2@2200,1100 2200,1116 2240,1156 2344,1156 POWER.4@2400,1100 ; C6.2@2394,1904 2396,1904 2468,1976 ; C4.2@2434,1804 2448,1808 2448,1862 2464,1878 2500,1878 2582,1878 v2(2584,1880) ; C5.2@3052,2587 3073,2555 ; v2(3276,2004) 3285,1996 3351,1996 3401,1996 3412,2007 C8.2@3420,2007
  Top w16: v1(1720,2660) 1712,2636 ; RN1.6@1746,2604 1712,2604 1712,2636 ; RN1.5@1746,2636 1722,2636 1712,2636 ; L1.1@2207,1555 L1.1@2209,1552 ; R4.2@2267,2000 2267,2011 2288,2032 2300,2032 2320,2052 v2(2320,2062) v2@2327,2066 ; ERASE.1@3936,2524.01 v1(3988,2524) ; RN5.1@4251,2413 4277,2413 ; RN5.2@4251,2445 4251,2444 4260,2444 4280,2444 4284,2440 4284,2420 4277,2413 ; IC4.4@4327,2256 4327,2370 4284,2413 4277,2413
  Top w24: JTAG.1@1937.02,2416 1972,2416 1992,2436 1992,2504 2008,2520 2156,2520 2176,2504 v2(2220,2504) ; v2(2292,2608) 2312,2584 L2.1@2312,2560 ; C1.+@2376,1376 v2(2376,1448) ; v2(4012,2256) IC4.2@4082,2256
  Top w32: v2(2588,1982) 2635,1982 2644,1972 2948,1972 2956,1964 v2(2968,1964) ; v2(3036,2008) 3272,2008 v2(3276,2004) ; v2(3448,2126) 3448,2224 3480,2256 3664,2256 3676,2244 3844,2244 3856,2261 C29.+@3861,2256 ; IC4.2@4082,2256 IC4.4@4327,2256
  Bottom w10: v1(1072,2732) 1184,2844 1340,2844 1476,2708 v1(1480,2662)
  Bottom w16: v2@1616,2232 v2(1616,2236) ; v1@1716,2656 v1(1720,2660) ; v2(2220,2504) 2220,2540 2268,2588 2272,2588 v2(2292,2608) ; v2(2584,1880) v2@2588,1885 ; v2(2968,1964) 2972,1960 2972,1908 3000,1880 3052,1880 3064,1868 3064,1848 3132,1780 3132,1744 3200,1676 v1(3210,1676) ; v1(3988,2524) 4008,2524 4032,2500 4032,2276 v2(4012,2256)
  Bottom w24: v1(1472,1572) 1544,1572 1616,1644 1616,1780 1688,1852 1688,1940 1564,2064 1564,2180 v2@1616,2232 ; v2(1616,2236) 1628,2248 1628,2664 1644,2680 1700,2680 v1(1720,2660) ; v1@1716,2656 1716,2400 1748,2368 1920,2368 1937,2385 JTAG.1@1937.02,2416 ; 2368,1776 2376,1768 2376,1704 2368,1696 v1(2368,1620) 2368,1568 2376,1556 v2(2376,1448) 2416,1404 2416,1184 2400,1168 POWER.4@2400,1100 ; v2(3036,2008) 3048,2020 3048,2232 3040,2240 v1(3040,2352)
  Bottom w32: v2(2220,2504) 2228,2504 2264,2468 2264,2276 2320,2220 v2(2320,2062) 2320,1824 2368,1776 2480,1776 v2(2584,1880) ; v2@2588,1885 v2(2588,1982) ; v2(2968,1964) 3012,2008 v2(3036,2008) ; v2(3276,2004) 3328,2004 3436,2112 3436,2124 v2(3448,2126) ; v2(3964,2256) v2(4012,2256)
  other v2: 4260,2204 4392,2204 4260,2256 4392,2256 4392,2304 4260,2308
+5V: C30.2 C36.1 D2.C D3.A IC1.8 IC4.3 IC6.4 IC6.32 ICSP1.2 L4.P$2 PC2.+ POWER.5 R12.1 R13.2 R14.1 R15.1 SPI.2 T1.2 T2.2 XIO.1 XIO.2 | length 10627.6
  Top w10: R15.1@1080,1579 1095,1579 1104,1588 1104,1592 1126,1614 1132,1614 1151,1614 v1(1172,1592) ; 1583,1739 1592,1748 1592,1768 1602,1778 IC6.4@1620,1778 ; v1(1608,1876) 1620,1865 IC6.32@1648,1865 ; v2(1676,2012) 1679,2015 IC1.8@1679,2062
  Top w12: v2(1676,2012) 1686,2003 C30.2@1714.99,2003 ; R13.2@1926,1940 1932,1951 v2(1932,1980)
  Top w16: v1(1524,1700) 1545,1721 1544,1739 1583,1739 ; v1@1604,1872 v1(1608,1876) ; D2.C@1992,1935 1995,1944 D2.C@1996,1944
  Top w20: v2(4024,1884) 4024,1916 4032,1924 L4.P$2@4102,1912
  Top w24: T2.2@1437.01,1836.01 1468,1872 v1@1604,1872 ; v2@2064,1728 2080,1712 2080,1660 2068,1648 2068,1612 2080,1600 v2(2080,1524) ; PC2.+@3935.97,1795 4023,1795 v2(4024,1796) v2(4024,1840) v2(4024,1884) ; v1(4000,1512) R12.1@4001,1468 ; L4.P$2@4102,1912 4108,1918 D3.A@4107.98,1743
  Top w32: T1.2@1603.01,2039.01 1621,2039 1636,2024 1664,2024 v2(1676,2012) ; ICSP1.2@1926.03,1479.98 2002,1404 2084,1404 ; v2@1934,1983 v2(1932,1980) 1948,1980 1984,1944 D2.C@1995,1944 ; D2.C@1992,1935 2000,1900 2064,1832 v2@2064,1728 ; v2(2080,1524) 2080,1516 2084,1508 2084,1404 ; v2(2150,1212) 2200,1212 2224,1188 2424,1188 2500,1112 POWER.5@2500,1100 ; v2(2224,1364) 2224,1392 2212,1404 2084,1404 ; v2(2736,2224) 2780,2268 2964,2268 2976,2280 3058,2280 3076,2296 3112,2296 3124,2308 3164,2308 3176,2296 3282,2296 3300,2314 3300,2382 3318,2400 3408,2400 v2(3432,2424) ; SPI.2@3605,2200 3904,2200 v2(3940,2164) 3997,2164 IC4.3@4082,2165 4073,2165 v2(3984,2164) ; v2(4216,2568) 4336,2568 4360,2592 v2(4580,2592) v2(4624,2592)
  Bottom w8: v2(3984,2164) 4100,2268 4100,2492 4136,2528 4136,2544 4156,2564 4156,2568
  Bottom w12: v1(1172,1592) 1252,1512 1408,1512 1432,1536
  Bottom w16: v1@1521,1700 v1(1524,1700) ; 1656,1492 1912,1492 ICSP1.2@1926.03,1479.98
  Bottom w24: 1432,1536 1440,1528 ; 1656,1492 1656,1420 1688,1388 1836,1388 ICSP1.2@1928,1480 ; v2(2072,1720) 2080,1720 2164,1636 2164,1608 v2(2080,1524) ; v2(3984,2164) 3996,2096 4024,2064 v2(4024,1884) ; v1(4000,1512) 4024,1536 v2(4024,1796)
  Bottom w32: 1432,1536 1420,1548 1420,1600 v1@1521,1700 ; 1440,1528 1552,1528 1588,1492 1656,1492 ; v1(1524,1700) 1524,1792 v1(1608,1876) ; v2(1676,2012) 1740,1956 1880,1956 1904,1980 v2(1932,1980) ; v2(2150,1212) 2150,1238 2224,1312 v2(2224,1364) ; POWER.5@2500,1100 2500,1128 2636,1264 2636,1734 2736,1834 v2(2736,2224) ; v2(3432,2424) 3576,2568 4156,2568 v2(4216,2568) ; v2(4580,2592) v2@4584,2592 ; v2(4624,2592) v2@4584,2592 ; XIO.1@4699.97,3000 4692,2980 4616,2904 4616,2884 4592,2860 4592,2732 4576,2716 4576,2600 v2@4584,2592
  Bottom w40: XIO.1@4699.97,3000 XIO.2@4799.97,3000
  other v2: 4024,1928
AD0: ADCL.1 U1.78 | length 847.3
  Top w8: U1.78@2679,1600 2680,1592 2680,1528 2696,1512 2812,1512 2840,1484 v1(2876,1484) ; v1(2884,1104) 3000,1104 ADCL.1@3000,1100
  Bottom w8: v1(2876,1484) 2888,1472 2888,1384 2908,1364 2908,1312 2948,1272 2948,1184 2920,1156 2912,1156 2884,1128 v1(2884,1104)
AD1: ADCL.2 U1.79 | length 1055.7
  Top w8: v1(2664,1208) 2692,1180 2712,1180 2728,1164 2812,1164 2844,1132 2944,1132 2972,1160 3092,1160 3100,1152 ADCL.2@3100,1100 ; v1(2696,1656) 2696,1636 2700,1632 2700,1600 U1.79@2699,1600
  Bottom w8: v1(2664,1208) 2680,1224 2680,1604 2696,1616 v1(2696,1656)
AD2: ADCL.3 U1.80 | length 1000.5
  Top w8: v1(2708,1208) 2736,1180 2820,1180 2852,1148 2936,1148 2964,1176 3044,1176 3060,1192 3160,1192 3200,1152 ADCL.3@3200,1100 ; v1(2708,1540) 2718,1548 U1.80@2719,1600
  Bottom w8: v1(2708,1208) v1(2708,1540)